# Altium PCB 10515.0462_全联供主板(2拼版)_V1.0.PcbDoc (part 6 of 18) (continued)
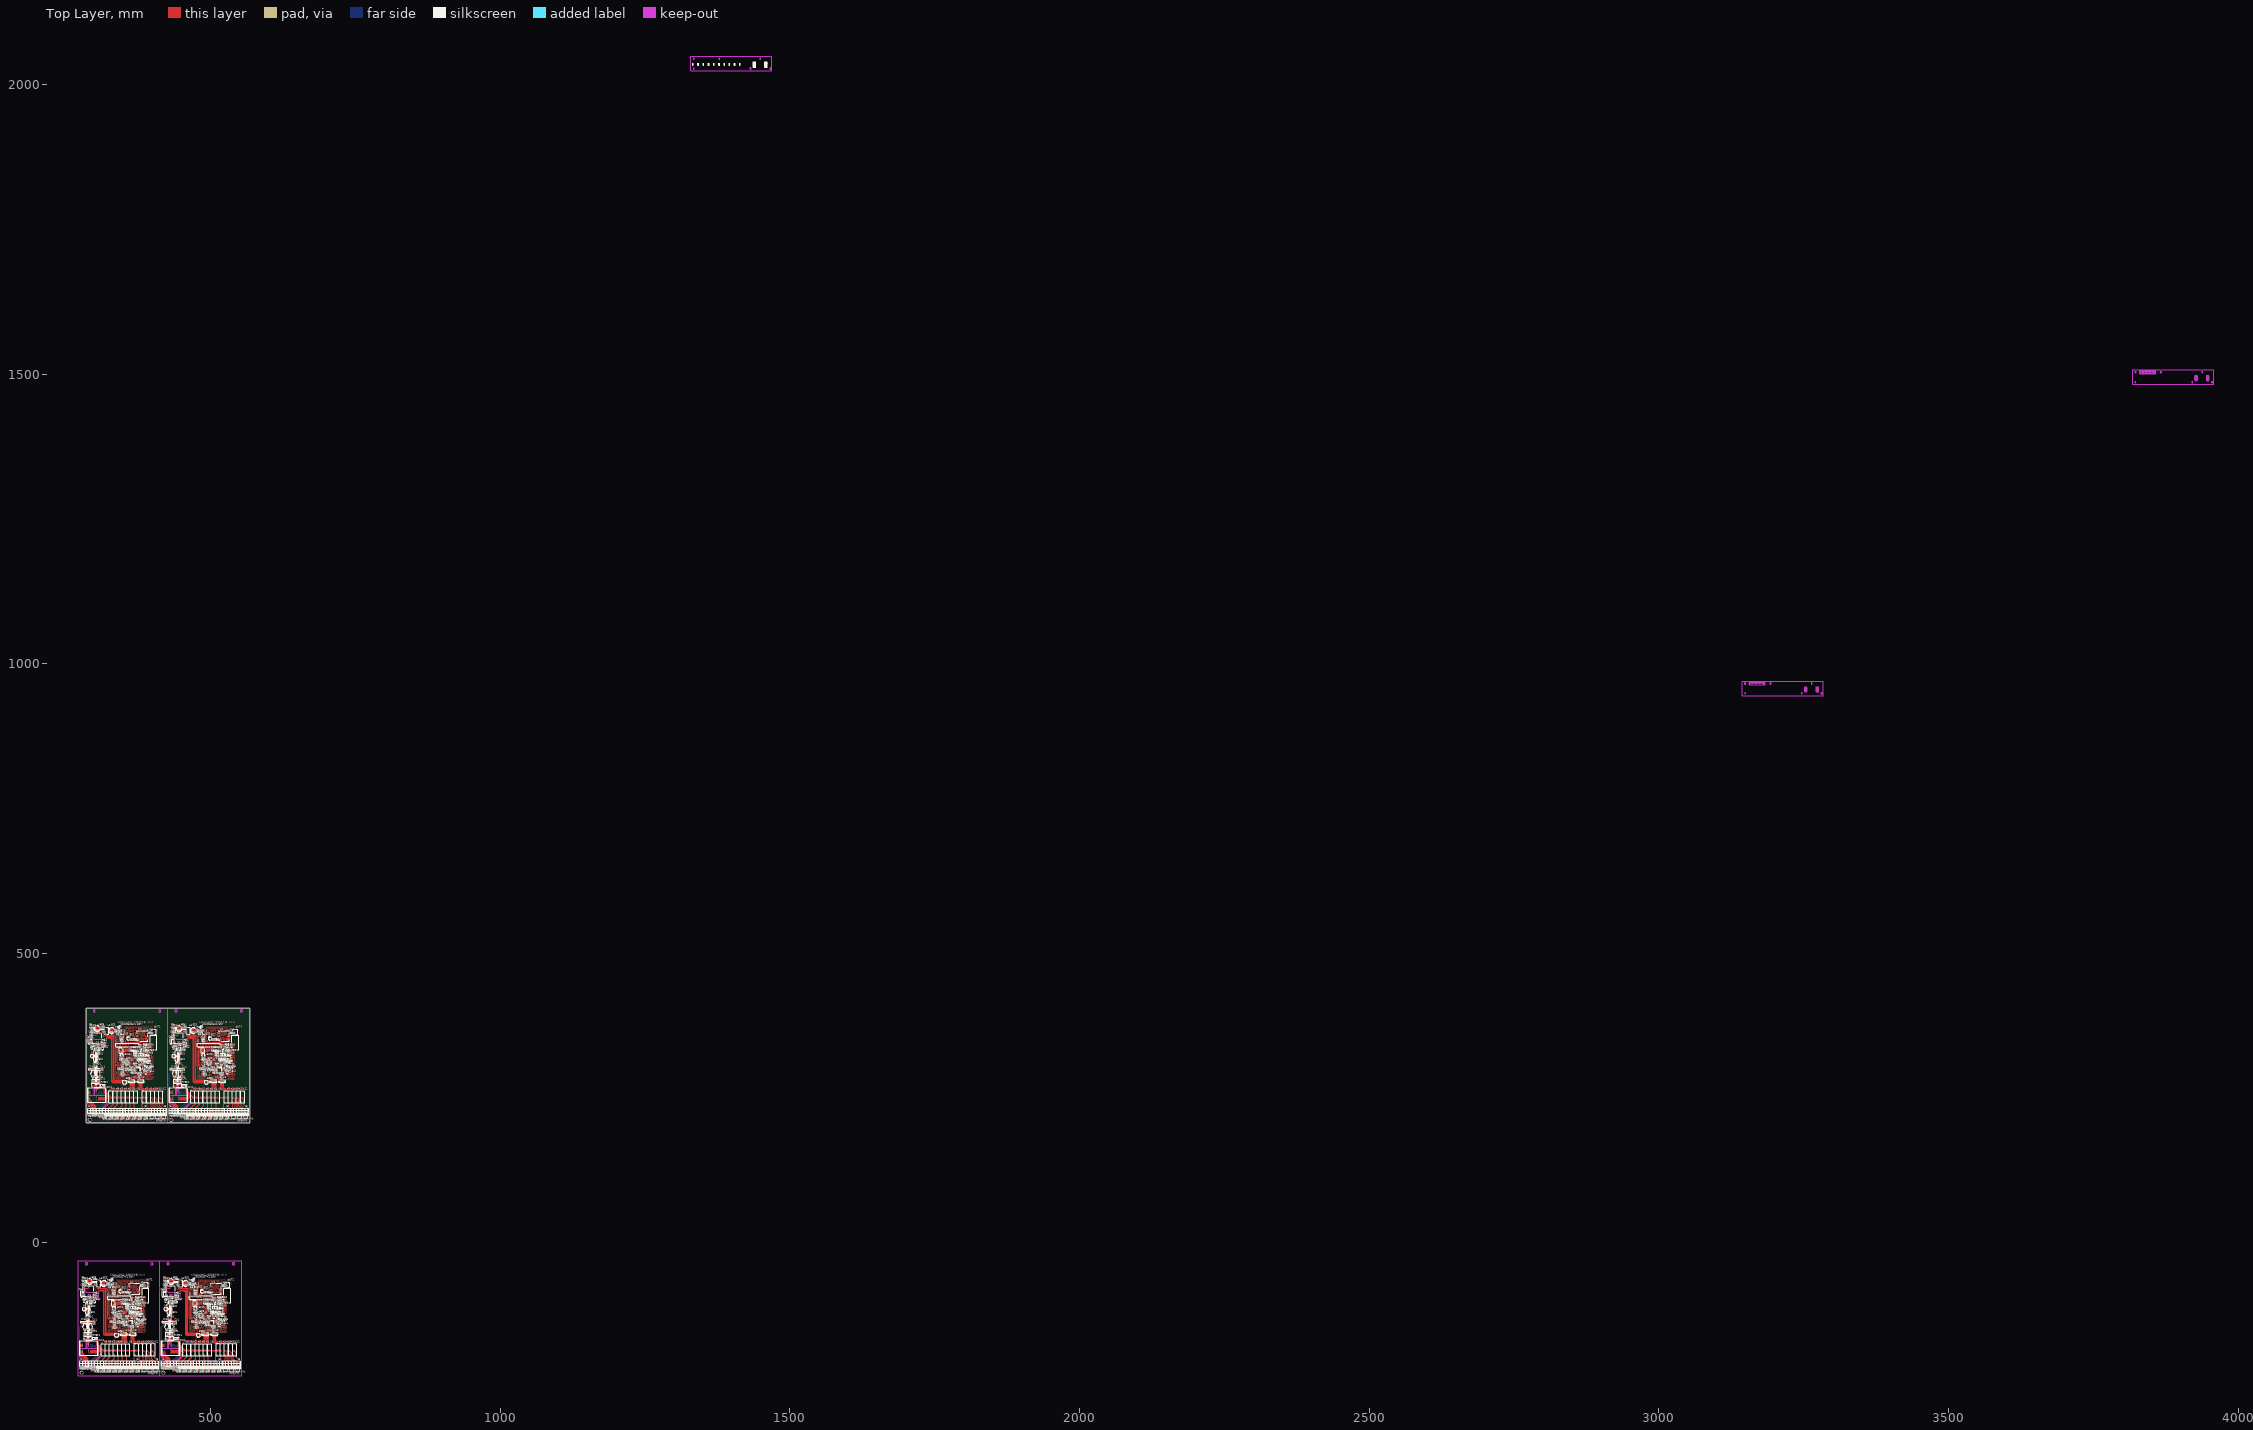
[diagram p0: Top Layer view]
## Nets (pads, with @x,y where several pads share a name; then routed paths per layer and width w, separated by ;. In a path a pad name is that pad's centre, name@x,y a point inside that pad or via, vN(x,y) a via of type N, cw(c..) or ccw(c..) an arc to the next point about the centre after c; other vN are vias at no path point) (continued)
351.855,-141.362 ; 352.141,-96.175 cw(c351.225,-97.092) 352.521,-97.092 cw(c353.817,-97.092) 352.901,-96.175 ; v1@352.151,-133.126 v1@352.151,-127.28 ; 352.151,-127.888 cw(c352.886,-127.888) v1@352.367,-127.368 ; 352.176,302.943 ccw(c352.176,304.807) 353.494,303.489 ; 352.521,-95.795 352.521,-98.821 352.913,-99.213 356.977,-99.213 357.298,-99.534 357.298,-107.281 357.624,-107.606 359.15,-107.606 359.15,-107.65 ; 352.546,-141.363 ccw(c351.96,-140.777) v1@352.788,-140.747 ; 352.705,300.403 cw(c352.705,299.179) 353.571,300.045 ; 352.812,-85.98 352.962,-86.13 359.303,-86.13 ; 352.978,-85.851 ccw(c353.651,-85.179) 353.651,-86.13 ; 353.095,301.673 ccw(c353.095,302.236) 353.494,301.838 ; 353.247,303.024 cw(c353.622,302.649) 353.622,303.179 ; 353.262,302.943 ccw(c353.262,303.72) 353.812,303.171 ; 353.448,-105.32 353.448,-105.318 ; 353.571,298.355 ccw(c353.261,298.046) 353.261,298.484 ccw(c353.261,298.922) 353.571,298.612 ; 353.739,262.179 cw(c355.053,262.265) 354.122,263.195 ; 353.75,301.838 ccw(c354.148,302.236) 354.148,301.673 ; 353.801,-86.13 ccw(c353.801,-85.482) 354.259,-85.94 ; 353.827,298.355 cw(c354.137,298.046) 354.137,298.484 cw(c354.137,298.922) 353.827,298.612 ; 353.827,300.045 cw(c354.106,299.765) 354.106,300.16 ; 353.827,300.301 ccw(c354.167,300.641) 354.167,300.16 ; 353.964,261.843 353.964,263.037 355.527,264.6 364.798,264.6 366.322,266.124 366.322,268.41 366.322,276.157 ; 354.12,-173.925 ccw(c351.432,-171.237) 355.233,-171.237 ; 354.188,262.208 cw(c356.371,262.351) 354.824,263.898 ; 354.259,-84.508 ccw(c353.949,-84.817) 353.949,-84.379 ccw(c353.949,-83.941) 354.259,-84.251 ; 354.438,-174.243 ccw(c352.518,-172.323) 355.233,-172.323 ; 354.515,-85.94 ccw(c354.974,-85.482) 354.974,-86.13 ; 354.515,-84.508 cw(c354.825,-84.817) 354.825,-84.379 cw(c354.825,-83.941) 354.515,-84.251 ; 354.619,301.673 ccw(c354.619,302.236) 355.018,301.838 ; 354.637,262.238 cw(c357.689,262.437) 355.527,264.6 ; 354.756,-174.561 ccw(c353.605,-173.41) 355.233,-173.41 ; 354.931,-128.218 ccw(c354.591,-127.877) 355.072,-127.877 ; 354.965,-129.626 ccw(c354.645,-129.306) 355.098,-129.306 ; 354.969,-128.474 cw(c354.66,-128.784) 355.098,-128.784 cw(c355.535,-128.784) 355.226,-128.474 ; 354.979,300.032 ccw(c354.67,299.722) 354.67,300.16 ccw(c354.67,300.598) 354.979,300.288 ; 355.072,-128.321 v1(355.072,-127.28) ; 355.072,-127.939 ccw(c355.467,-127.939) 355.188,-128.218 ; 355.098,-129.721 355.098,-128.346 ; 355.098,-129.327 ccw(c355.521,-129.327) 355.222,-129.626 ; 355.099,-103.669 355.11,-103.658 v1(355.961,-103.658) ; 355.101,-101.941 v1(355.945,-101.941) ; 355.146,303.399 v1(356.076,303.399) ; 355.198,-86.13 ccw(c355.198,-85.482) 355.656,-85.94 ; 355.233,-171.83 355.233,-171.222 ; 355.233,-160.438 355.233,-171.222 ; 355.265,-103.798 cw(c355.603,-104.135) 355.603,-103.658 ; 355.265,-103.541 ccw(c355.548,-103.259) 355.548,-103.658 ; 355.268,-102.07 cw(c355.577,-102.379) 355.577,-101.941 cw(c355.577,-101.503) 355.268,-101.813 ; 355.274,303.27 cw(c355.584,302.961) 355.584,303.399 cw(c355.584,303.837) 355.274,303.527 ; 355.503,-116.209 355.551,-116.162 ; 355.656,-84.508 ccw(c355.346,-84.817) 355.346,-84.379 ccw(c355.346,-83.941) 355.656,-84.251 ; 355.912,-85.94 ccw(c356.371,-85.482) 356.371,-86.13 ; 355.912,-84.508 cw(c356.222,-84.817) 356.222,-84.379 cw(c356.222,-83.941) 355.912,-84.251 ; 356.595,-86.13 ccw(c356.595,-85.482) 357.053,-85.94 ; 356.616,-129.626 ccw(c356.296,-129.306) 356.749,-129.306 ; 356.62,-128.474 cw(c356.311,-128.784) 356.749,-128.784 cw(c357.186,-128.784) 356.877,-128.474 ; 356.749,-129.721 356.749,-128.346 356.985,-128.11 v1(357.612,-128.11) ccw(c357.612,-128.953) 356.933,-128.453 ; 356.749,-129.327 ccw(c357.172,-129.327) 356.873,-129.626 ; 356.797,300.16 359.73,300.16 ; 356.963,300.032 cw(c357.273,299.722) 357.273,300.16 cw(c357.273,300.598) 356.963,300.288 ; 357.053,-84.508 ccw(c356.743,-84.817) 356.743,-84.379 ccw(c356.743,-83.941) 357.053,-84.251 ; 357.104,356.336 cw(c355.781,355.013) 357.652,355.013 cw(c359.523,355.013) 358.2,356.336 ; 357.309,-85.94 ccw(c357.768,-85.482) 357.768,-86.13 ; 357.309,-84.508 cw(c357.619,-84.817) 357.619,-84.379 cw(c357.619,-83.941) 357.309,-84.251 ; 357.587,-84.379 ccw(c357.587,-82.864) 358.659,-83.936 ; 357.652,349.884 358.256,350.489 ; 357.652,356.884 357.652,352.876 358.096,352.432 358.388,352.14 363.29,352.14 363.366,352.216 372.682,352.216 372.932,352.465 ; 357.802,300.16 ccw(c357.802,300.641) 358.143,300.301 ; 357.863,300.16 cw(c357.863,299.765) 358.143,300.045 ; 358.117,277.96 359.311,277.96 ; 358.143,298.355 ccw(c357.833,298.046) 357.833,298.484 ccw(c357.833,298.922) 358.143,298.612 ; 358.245,277.832 cw(c358.555,277.523) 358.555,277.96 cw(c358.555,278.398) 358.245,278.089 ; 358.245,279.483 cw(c358.555,279.174) 358.555,279.611 cw(c358.555,280.049) 358.245,279.74 ; 358.399,300.045 cw(c358.678,299.765) 358.678,300.16 ; 358.399,300.301 ccw(c358.739,300.641) 358.739,300.16 ; 358.659,-86.324 ccw(c358.189,-86.794) 358.189,-86.13 ccw(c358.189,-85.466) 358.659,-85.936 ; 358.779,-107.978 ccw(c357.883,-108.874) 357.883,-107.606 ccw(c357.883,-106.339) 358.779,-107.235 ; 358.893,-114.591 358.998,-114.591 359.131,-114.459 ; 359.48,277.791 cw(c358.596,276.907) 359.847,276.907 ; 359.615,300.032 ccw(c359.305,299.722) 359.305,300.16 ccw(c359.305,300.598) 359.615,300.288 ; 359.854,-158.763 ccw(c359.544,-159.073) 359.544,-158.635 ccw(c359.544,-158.197) 359.854,-158.507 ; 359.854,-157.112 ccw(c359.544,-157.422) 359.544,-156.984 ccw(c359.544,-156.546) 359.854,-156.856 ; 359.972,276.157 359.972,277.3 359.311,277.96 ; 359.972,276.676 359.938,276.71 359.938,277.96 ; 359.972,281.745 359.972,280.359 ; 360.092,331.275 360.094,331.277 ; 360.11,-157.112 cw(c360.42,-157.422) 360.42,-156.984 cw(c360.42,-156.546) 360.11,-156.856 ; 360.319,279.611 359.972,279.959 359.972,280.359 ; 360.7,350.489 364.662,350.489 364.789,350.616 ; 360.758,-112.781 360.78,-112.803 ; 361.124,261.843 361.124,262.831 362.131,263.838 366.195,263.838 367.592,265.235 367.592,267.521 367.592,276.157 ; 361.129,-158.587 cw(c360.028,-159.688) 361.585,-159.688 ; 361.339,262.259 cw(c362.343,262.565) 361.601,263.308 ; 361.465,350.489 ccw(c361.465,350.951) 361.792,350.624 ; 361.465,352.14 ccw(c361.465,352.602) 361.792,352.275 ; 361.499,350.489 cw(c361.499,350.076) 361.792,350.368 ; 361.499,352.14 cw(c361.499,351.727) 361.792,352.019 ; 361.7,-159.688 360.646,-158.635 360.406,-158.635 ; 361.71,-160.565 361.71,-160.438 361.71,-159.168 361.177,-158.635 360.406,-158.635 ; 361.71,-156.236 360.962,-156.984 360.787,-156.984 ; 361.71,-154.977 361.71,-156.628 ; 361.769,262.39 cw(c363.156,262.813) 362.131,263.838 ; 362.048,350.368 cw(c362.34,350.076) 362.34,350.489 ; 362.048,350.624 ccw(c362.375,350.951) 362.375,350.489 ; 362.048,352.019 cw(c362.34,351.727) 362.34,352.14 ; 362.048,352.275 ccw(c362.375,352.602) 362.375,352.14 ; v1(362.692,-117.755) 362.692,-116.975 362.917,-116.75 362.917,-116.052 363.234,-115.734 364.377,-115.734 364.568,-115.544 364.568,-114.591 ; v1@362.692,-117.638 cw(c363.766,-117.638) 363.007,-116.879 ; 362.725,-150.127 cw(c362.415,-150.437) 362.853,-150.437 cw(c363.291,-150.437) 362.981,-150.127 ; 362.788,-116.622 ccw(c362.479,-116.312) 362.917,-116.312 ccw(c363.354,-116.312) 363.045,-116.622 ; v1(362.853,-150.913) 362.853,-149.961 ; 362.917,-119.117 362.917,-118.909 ; 362.98,-160.565 362.98,-169.582 362.98,-171.868 363.488,-172.376 368.822,-172.376 369.456,-173.01 ; 363.162,350.361 ccw(c362.852,350.051) 362.852,350.489 ccw(c362.852,350.927) 363.162,350.617 ; 363.162,352.012 ccw(c362.852,351.702) 362.852,352.14 ccw(c362.852,352.578) 363.162,352.268 ; 363.418,350.361 cw(c363.728,350.051) 363.728,350.489 cw(c363.728,350.927) 363.418,350.617 ; 363.418,352.05 cw(c363.82,351.648) 363.82,352.216 ; 363.528,293.452 363.53,293.454 364.383,293.454 365.356,293.454 ; 363.656,293.324 cw(c363.971,293.009) 363.971,293.454 ; 363.656,293.58 ccw(c363.96,293.885) 363.96,293.454 ; 364.007,350.489 ccw(c364.007,351.36) 364.623,350.744 ; 364.225,-146.168 cw(c363.937,-146.465) 364.352,-146.465 ; 364.25,-160.565 364.25,-168.932 364.25,-171.218 364.758,-171.726 375.411,-171.726 376.568,-172.883 ; 364.352,-146.467 cw(c364.701,-146.467) 364.496,-146.184 ; 364.352,-146.037 364.352,-146.465 ; 364.439,-114.72 cw(c364.13,-115.029) 364.568,-115.029 cw(c365.005,-115.029) 364.696,-114.72 ; 364.478,-146.168 ccw(c364.766,-146.465) 364.352,-146.465 ; v1(364.524,295.105) 365.286,295.105 ; 364.571,-146.042 ccw(c366.033,-146.079) v1@364.999,-147.113 ; 364.803,-112.969 cw(c364.803,-113.959) 365.503,-113.259 ; 364.803,-112.559 v1@365.994,-113.751 ; 365.052,276.157 365.052,268.918 365.052,266.632 363.909,265.489 348.796,265.489 346.804,263.498 ; v1(365.105,-144.425) 366.003,-145.322 366.003,-146.037 ; 365.15,-112.623 ccw(c365.833,-112.623) 365.35,-113.106 ; 365.228,293.326 ccw(c364.918,293.017) 364.918,293.454 ccw(c364.918,293.892) 365.228,293.583 ; 365.228,294.977 ccw(c364.918,294.668) 364.918,295.105 ccw(c364.918,295.543) 365.228,295.234 ; v1(365.232,-147.346) 364.352,-146.465 ; v1(365.232,-120.041) 370.058,-120.041 370.727,-119.372 v1(370.727,-117.12) 370.727,-116.179 ; 365.356,295.105 366.048,295.105 v1@366.516,295.574 ; 365.484,294.977 cw(c365.794,294.668) 365.794,295.105 cw(c365.794,295.543) 365.484,295.234 ; 365.52,-160.565 365.52,-168.282 365.52,-170.568 366.028,-171.076 382,-171.076 383.687,-172.763 ; 365.77,340.42 cw(c364.853,339.504) 366.15,339.504 cw(c367.446,339.504) 366.529,340.42 ; v1@365.78,303.469 v1@365.78,309.315 ; 365.78,308.707 cw(c366.515,308.707) v1@365.995,309.227 ; 365.846,-113.602 cw(c365.517,-113.931) v1@365.982,-113.931 ; 365.874,-145.909 ccw(c365.565,-145.599) 366.003,-145.599 ccw(c366.441,-145.599) 366.131,-145.909 ; 366.15,340.8 366.15,337.775 366.542,337.382 370.606,337.382 370.927,337.061 370.927,329.314 371.252,328.989 372.779,328.989 372.779,328.945 ; 366.175,295.232 ccw(c365.589,295.818) v1@366.417,295.849 ; 366.44,350.616 366.591,350.465 372.932,350.465 ; 366.607,350.744 ccw(c367.279,351.417) 367.279,350.465 ; 366.79,-160.565 366.79,-167.505 366.79,-169.791 367.425,-170.426 389.71,-170.426 390.799,-171.516 390.799,-174.625 ; 367.044,-117.131 367.044,-117.449 368.505,-118.909 ; 367.077,331.275 367.077,331.277 ; 367.391,-117.195 ccw(c368.84,-117.195) 367.815,-118.22 ; 367.429,350.465 ccw(c367.429,351.113) 367.888,350.655 ; 367.748,262.671 ccw(c365.061,265.358) 368.862,265.358 ; 367.888,352.088 ccw(c367.578,351.778) 367.578,352.216 ccw(c367.578,352.654) 367.888,352.344 ; 368.044,-114.631 368.148,-114.528 ; 368.044,-110.469 cw(c368.044,-111.459) 368.744,-110.759 cw(c369.444,-110.059) 368.454,-110.059 ; 368.044,-110.059 369.263,-111.278 370.41,-111.278 ; 368.06,-160.565 368.06,-166.661 368.06,-168.947 368.889,-169.776 396.426,-169.776 398.038,-171.389 398.038,-174.625 ; 368.067,262.353 ccw(c366.147,264.272) 368.862,264.272 ; 368.13,-118.535 cw(c367.755,-118.909) 368.285,-118.909 ; 368.144,350.655 ccw(c368.602,351.113) 368.602,350.465 ; 368.144,352.088 cw(c368.454,351.778) 368.454,352.216 cw(c368.454,352.654) 368.144,352.344 ; 368.3,-98.197 375.011,-98.197 376.916,-98.197 ; 368.3,-95.657 379.202,-95.657 379.837,-96.292 379.837,-97.943 ; 368.385,262.034 ccw(c367.234,263.186) 368.862,263.186 ; 368.56,308.378 ccw(c368.22,308.718) 368.701,308.718 ; 368.594,306.969 ccw(c368.274,307.289) 368.726,307.289 ; 368.598,308.121 cw(c368.288,307.812) 368.726,307.812 cw(c369.164,307.812) 368.855,308.121 ; 368.671,-98.568 cw(c369.567,-99.464) 369.567,-98.197 cw(c369.567,-96.93) 368.671,-97.826 ; 368.671,-96.028 cw(c369.567,-96.924) 369.567,-95.657 cw(c369.567,-94.39) 368.671,-95.286 ; 368.701,308.275 v1(368.701,309.315) ; 368.701,308.657 ccw(c369.095,308.657) 368.816,308.378 ; 368.726,306.875 368.726,308.249 ; 368.726,307.269 ccw(c369.15,307.269) 368.85,306.969 ; 368.728,332.926 368.739,332.937 v1(369.59,332.937) ; 368.73,334.654 v1(369.574,334.654) ; 368.826,350.465 ccw(c368.826,351.113) 369.285,350.655 ; 368.862,264.765 368.862,265.373 ; 368.862,276.157 368.862,265.373 ; 368.894,332.798 cw(c369.231,332.461) 369.231,332.937 ; 368.894,333.054 ccw(c369.176,333.336) 369.176,332.937 ; 368.897,334.526 cw(c369.206,334.216) 369.206,334.654 cw(c369.206,335.092) 368.897,334.782 ; 368.994,-112.559 368.994,-113.135 369.169,-113.31 v1(369.931,-113.31) ; 369.08,-173.714 ccw(c368.609,-173.01) 369.456,-173.01 ; 369.132,320.386 369.179,320.434 ; 369.169,-103.306 cw(c369.169,-104.296) 369.869,-103.596 ; 369.169,-102.896 370.727,-104.454 370.727,-109.944 ; 369.28,-133.286 v1@369.28,-127.28 ; 369.28,-132.503 ccw(c370.152,-132.503) 369.535,-133.119 ; 369.285,352.088 ccw(c368.975,351.778) 368.975,352.216 ccw(c368.975,352.654) 369.285,352.344 ; 369.456,-174.625 369.456,-173.01 ; 369.516,-102.959 ccw(c370.199,-102.959) 369.716,-103.443 ; 369.541,350.655 ccw(c369.999,351.113) 369.999,350.465 ; 369.541,352.088 cw(c369.851,351.778) 369.851,352.216 cw(c369.851,352.654) 369.541,352.344 ; 369.615,-111.278 cw(c369.615,-112.67) 370.599,-111.686 ; 369.832,-173.714 cw(c370.303,-173.01) 369.456,-173.01 ; 370.223,350.465 ccw(c370.223,351.113) 370.682,350.655 ; 370.245,306.969 ccw(c369.925,307.289) 370.377,307.289 ; 370.249,308.121 cw(c369.939,307.812) 370.377,307.812 cw(c370.815,307.812) 370.506,308.121 ; 370.377,306.875 370.377,308.249 370.614,308.486 v1(371.241,308.486) ccw(c371.241,307.643) 370.562,308.142 ; 370.377,307.269 ccw(c370.801,307.269) 370.501,306.969 ; 370.599,-116.345 cw(c370.289,-116.655) 370.727,-116.655 cw(c371.165,-116.655) 370.855,-116.345 ; 370.599,-109.778 ccw(c370.289,-109.468) 370.727,-109.468 ccw(c371.165,-109.468) 370.855,-109.778 ; 370.682,352.088 ccw(c370.372,351.778) 370.372,352.216 ccw(c370.372,352.654) 370.682,352.344 ; 370.938,350.655 ccw(c371.396,351.113) 371.396,350.465 ; 370.938,352.088 cw(c371.248,351.778) 371.248,352.216 cw(c371.248,352.654) 370.938,352.344 ; 371.216,352.216 ccw(c371.216,353.731) 372.287,352.66 ; 371.362,-139.293 372.979,-139.293 373.37,-138.902 373.37,-137.463 373.82,-137.013 ; 371.49,-139.421 cw(c371.8,-139.731) 371.8,-139.293 cw(c371.8,-138.855) 371.49,-139.165 ; 371.884,-139.293 ccw(c371.884,-137.541) 373.123,-138.78 ; 372.287,350.271 ccw(c371.818,349.802) 371.818,350.465 ccw(c371.818,351.129) 372.287,350.66 ; 372.408,328.618 ccw(c371.512,327.722) 371.512,328.989 ccw(c371.512,330.257) 372.408,329.36 ; 372.522,322.004 372.627,322.004 372.76,322.137 ; 372.668,-98.197 ccw(c372.668,-95.727) 374.415,-97.473 ; 373.123,-141.775 cw(c372.157,-142.74) 373.522,-142.74 ; 373.123,-138.53 ccw(c372.525,-137.932) 373.37,-137.932 ccw(c374.215,-137.932) 373.618,-138.53 ; 373.37,-141.402 373.522,-141.555 373.522,-143.27 373.522,-144.057 373.709,-144.243 376.442,-144.243 376.823,-143.862 376.823,-139.633 v1(376.789,-139.599) 376.092,-138.902 ; 373.37,-138.445 cw(c375.213,-138.445) 373.91,-137.142 ; 373.37,-137.623 cw(c373.798,-137.623) 373.786,-137.195 ; 373.37,-137.358 cw(c374.126,-137.358) 373.592,-136.823 ; 373.394,-143.398 cw(c373.084,-143.708) 373.522,-143.708 cw(c373.96,-143.708) 373.651,-143.398 ; 373.394,-143.142 ccw(c373.084,-142.832) 373.522,-142.832 ccw(c373.96,-142.832) 373.651,-143.142 ; 373.445,-137.388 ccw(c373.07,-137.013) 373.6,-137.013 ; 373.483,277.832 ccw(c373.173,277.523) 373.173,277.96 ccw(c373.173,278.398) 373.483,278.089 ; 373.483,279.483 ccw(c373.173,279.174) 373.173,279.611 ccw(c373.173,280.049) 373.483,279.74 ; v1(373.597,-110.406) 374.453,-110.406 ; 373.739,279.483 cw(c374.049,279.174) 374.049,279.611 cw(c374.049,280.049) 373.739,279.74 ; 373.754,-98.197 ccw(c373.754,-96.813) 374.733,-97.792 ; 373.894,-98.197 cw(c373.894,-98.933) 374.415,-98.413 ; 374.122,-133.52 ccw(c373.813,-133.21) 374.251,-133.21 ccw(c374.689,-133.21) 374.379,-133.52 ; 374.251,-133.648 374.251,-132.994 374.63,-132.614 376.662,-132.614 377.515,-131.761 377.515,-131.285 ; 374.325,-110.534 ccw(c374.015,-110.844) 374.015,-110.406 ccw(c374.015,-109.968) 374.325,-110.278 ; 374.386,323.814 374.408,323.792 ; 374.453,-110.279 374.809,-110.635 v1(378.884,-110.635) v1@379.011,-110.635 ; 374.581,-110.316 ccw(c375.351,-109.546) 375.351,-110.635 ; 374.758,278.008 cw(c373.657,276.907) 375.214,276.907 ; 374.796,-103.613 cw(c373.662,-104.746) 375.265,-104.746 cw(c376.868,-104.746) 375.735,-103.613 ; 374.815,-102.655 ccw(c373.864,-101.626) v1(375.265,-101.626) ccw(c376.666,-101.626) 375.716,-102.655 ; 375.045,-143.142 ccw(c374.735,-142.832) 375.173,-142.832 ccw(c375.611,-142.832) 375.302,-143.142 ; 375.123,-138.53 ccw(c374.525,-137.932) 375.37,-137.932 ccw(c376.215,-137.932) 375.618,-138.53 ; 375.173,-143.27 375.173,-141.599 375.37,-141.402 ; 375.173,-142.847 cw(c376.69,-142.847) 375.618,-141.775 ; 375.265,-105.311 375.265,-103.143 v1(375.265,-101.626) ; 375.265,-104.603 ccw(c376.446,-104.603) 375.611,-105.438 ; 375.305,-138.951 cw(c375.722,-139.435) 376.173,-138.983 ; 375.328,276.907 374.275,277.96 374.035,277.96 ; 375.329,-117.047 ccw(c373.783,-115.501) 375.97,-115.501 ; 375.339,276.03 375.339,276.157 375.339,277.427 374.805,277.96 374.035,277.96 ; 375.339,280.359 374.591,279.611 374.416,279.611 ; 375.339,281.618 375.339,279.967 ; 375.36,-138.928 cw(c375.504,-140.386) 376.54,-139.35 ; 375.37,-137.602 cw(c376.021,-137.602) 375.561,-137.142 ; 375.457,-117.213 375.97,-116.701 375.97,-114.349 ; 375.457,-116.994 ccw(c375.457,-116.464) 375.832,-116.839 ; 375.471,-137.013 375.37,-137.114 375.37,-138.902 376.092,-138.902 ; 375.599,-139.292 cw(c376.039,-139.803) 376.516,-139.326 ; 375.645,-139.119 cw(c376.092,-139.472) 376.092,-138.902 ; 375.645,-138.685 ccw(c376.092,-138.332) 376.092,-138.902 ; 375.647,-117.365 ccw(c374.869,-116.587) 375.97,-116.587 ; 375.773,-135.164 ccw(c375.464,-134.854) 375.902,-134.854 ccw(c376.34,-134.854) 376.03,-135.164 ; 375.773,-133.777 cw(c375.464,-134.086) 375.902,-134.086 cw(c376.34,-134.086) 376.03,-133.777 ; 375.902,-133.648 375.902,-135.254 377.679,-135.254 377.683,-135.258 ; 375.97,-110.635 375.97,-108.253 ; 376.03,-135.421 cw(c376.432,-135.822) 376.432,-135.254 ; 376.116,-98.413 cw(c376.636,-98.933) 376.636,-98.197 ; 376.15,-173.745 ccw(c375.471,-172.883) 376.568,-172.883 ; 376.277,-97.735 ccw(c376.916,-97.524) 376.916,-98.197 ; v1(376.321,318.84) 376.321,319.621 376.545,319.845 376.545,320.544 376.863,320.861 378.006,320.861 378.196,321.052 378.196,322.004 ; v1@376.321,318.957 cw(c377.395,318.957) 376.635,319.717 ; 376.354,286.468 cw(c376.044,286.159) 376.482,286.159 cw(c376.92,286.159) 376.61,286.468 ; 376.417,319.973 ccw(c376.107,320.283) 376.545,320.283 ccw(c376.983,320.283) 376.674,319.973 ; v1(376.482,285.682) 376.482,286.635 ; 376.545,317.479 376.545,317.686 ; 376.568,-174.625 376.568,-172.883 ; 376.609,276.03 376.609,267.013 376.609,264.727 377.117,264.219 382.451,264.219 383.085,263.585 ; v1@376.701,-139.687 cw(c376.406,-139.983) 376.823,-139.983 ; 376.877,-117.047 ccw(c376.003,-116.173) v1@377.24,-116.173 ; 376.963,-132.313 ccw(c376.491,-131.841) 377.047,-131.47 ; 376.986,-173.745 cw(c377.665,-172.883) 376.568,-172.883 ; 377.006,-117.213 377.24,-116.98 v1(377.24,-116.104) 377.24,-114.349 ; 377.044,-105.438 ccw(c376.734,-105.129) 377.172,-105.129 ccw(c377.61,-105.129) 377.3,-105.438 ; 377.08,-135.254 cw(c377.08,-135.822) 377.482,-135.421 ; 377.082,-105.695 cw(c376.701,-106.076) 377.24,-106.076 ; 377.172,-105.567 377.172,-98.453 376.916,-98.197 ; 377.24,-108.253 377.24,-105.634 ; v1@377.309,-116.001 378.51,-116.001 378.51,-114.349 ; v1@377.328,-116.192 cw(c377.79,-116.654) 377.79,-116.001 ; 377.418,-133.964 cw(c376.778,-134.604) 377.683,-134.604 cw(c378.588,-134.604) 377.948,-133.964 ; 377.558,-135.164 ccw(c377.257,-134.863) 377.683,-134.863 ; 377.649,-135.292 377.683,-135.258 ; 377.683,-134.846 ccw(c378.133,-134.846) 377.815,-135.164 ; 377.683,-133.757 377.683,-135.258 ; 377.854,290.428 cw(c377.566,290.13) 377.98,290.13 ; 377.879,276.03 377.879,267.663 377.879,265.377 378.387,264.869 389.04,264.869 390.197,263.712 ; 377.98,290.128 cw(c378.329,290.128) 378.125,290.411 ; 377.98,290.558 377.98,290.13 ; 378.068,321.876 cw(c377.758,321.566) 378.196,321.566 cw(c378.634,321.566) 378.325,321.876 ; 378.107,290.428 ccw(c378.395,290.13) 377.98,290.13 ; 378.2,290.554 ccw(c379.662,290.517) v1@378.628,289.483 ; 378.377,-99.657 ccw(c376.757,-98.038) 379.046,-97.964 ; 378.432,323.626 cw(c378.432,322.636) 379.132,323.336 ; 378.432,324.036 v1@379.623,322.845 ; 378.554,-117.213 380.103,-117.213 ; 378.568,-105.438 ccw(c378.258,-105.129) 378.696,-105.129 ccw(c379.134,-105.129) 378.824,-105.438 ; 378.682,-117.342 cw(c378.992,-117.651) 378.992,-117.213 cw(c378.992,-116.775) 378.682,-117.085 ; 378.696,-105.567 378.696,-104.803 378.186,-104.293 378.186,-99.848 380.091,-97.943 ; v1(378.734,292.17) 379.631,291.273 379.631,290.558 ; 378.778,323.973 ccw(c379.462,323.973) 378.978,323.489 ; v1(378.861,289.249) 377.98,290.13 ; v1(378.861,316.554) 383.687,316.554 384.356,317.223 v1(384.356,319.475) 384.356,320.417 ; 379.111,-98.923 ccw(c378.181,-97.992) 379.496,-97.95 ; 379.149,276.03 379.149,268.313 379.149,266.027 379.657,265.519 395.629,265.519 397.316,263.832 ; 379.227,-98.807 cw(c379.71,-99.29) 379.71,-98.607 ; 379.294,-97.426 ccw(c378.383,-96.292) 379.837,-96.292 ; 379.3,-135.292 379.689,-135.292 381.283,-133.698 381.283,-131.517 381.515,-131.285 ; 379.338,-135.111 ccw(c379.338,-133.825) 380.247,-134.734 ; 379.475,322.993 cw(c379.146,322.664) v1@379.611,322.664 ; 379.503,290.686 ccw(c379.193,290.996) 379.631,290.996 ccw(c380.069,290.996) 379.76,290.686 ; 379.674,-102.626 ccw(c378.968,-101.753) v1(380.091,-101.753) ccw(c381.214,-101.753) 380.508,-102.626 ; 379.78,-117.155 379.78,-114.349 ; 379.78,-115.958 ccw(c381.32,-115.958) 380.231,-117.047 ; 379.78,-112.057 v1(379.78,-109.754) ; 379.837,-96.647 ccw(c381.007,-96.647) 380.18,-97.473 ; 379.974,-117.342 ccw(c379.665,-117.651) 379.665,-117.213 ccw(c379.665,-116.775) 379.974,-117.085 ; 380.091,-103.143 v1(380.091,-101.753) ; 380.257,-105.695 cw(c378.817,-107.135) 380.853,-107.135 ; 380.301,-134.68 ccw(c379.32,-133.698) 380.708,-133.698 ; 380.347,-105.567 380.853,-106.073 380.853,-110.389 v1(380.599,-110.643) ; 380.374,-105.748 cw(c380.344,-106.256) 380.853,-106.256 ; 380.419,276.03 380.419,269.09 380.419,266.804 381.054,266.169 403.338,266.169 404.428,265.08 404.428,261.97 ; v1@380.511,-110.555 ccw(c379.684,-109.728) 380.853,-109.728 ; 380.566,-105.567 ccw(c381.096,-105.567) 380.722,-105.941 ; 380.575,-105.377 cw(c379.903,-106.048) 380.853,-106.048 ; 380.673,319.464 380.673,319.147 382.133,317.686 ; 381.018,-133.433 ccw(c380.378,-132.793) 381.283,-132.793 ccw(c382.188,-132.793) 381.548,-133.433 ; 381.019,319.401 ccw(c382.469,319.401) 381.444,318.375 ; 381.117,-131.556 cw(c380.717,-131.956) 381.283,-131.956 ; 381.283,-133.076 cw(c383.433,-133.076) 381.913,-131.556 ; 381.283,-131.99 cw(c382.346,-131.99) 381.594,-131.238 ; 381.413,-71.776 381.579,-71.942 387.573,-71.942 ; 381.673,321.964 381.776,322.068 ; 381.673,326.126 cw(c381.673,325.136) 382.373,325.836 cw(c383.073,326.536) 382.083,326.536 ; 381.673,326.536 382.891,325.317 384.038,325.317 ; 381.682,-72.057 cw(c381.961,-72.336) 381.961,-71.942 ; 381.682,-71.801 ccw(c382.022,-71.461) 382.022,-71.942 ; 381.689,276.03 381.689,269.934 381.689,267.648 382.518,266.819 410.054,266.819 411.667,265.207 411.667,261.97 ; 381.759,318.061 cw(c381.384,317.686) 381.914,317.686 ; 381.928,338.398 388.64,338.398 390.545,338.398 ; 381.928,340.938 392.831,340.938 393.466,340.303 393.466,338.652 ; 382.3,338.027 cw(c383.196,337.131) 383.196,338.398 cw(c383.196,339.666) 382.3,338.77 ; 382.3,340.567 cw(c383.196,339.671) 383.196,340.938 cw(c383.196,342.206) 382.3,341.31 ; 382.623,324.036 382.623,323.461 382.798,323.285 v1(383.56,323.285) ; 382.709,262.881 ccw(c382.238,263.585) 383.085,263.585 ; 382.798,333.289 cw(c382.798,332.3) 383.498,333 ; 382.798,333.699 384.356,332.142 384.356,326.651 ; 382.909,303.31 v1@382.909,309.315 ; 382.909,304.092 ccw(c383.78,304.092) 383.164,303.476 ; 383.085,261.97 383.085,263.585 ; 383.144,333.636 ccw(c383.828,333.636) 383.345,333.153 ; 383.236,-173.772 ccw(c382.332,-172.764) 383.687,-172.764 ; 383.243,325.317 cw(c383.243,323.926) 384.228,324.91 ; 383.46,262.881 cw(c383.932,263.585) 383.085,263.585 ; 383.687,-174.625 383.687,-172.763 ; 383.977,-75.196 ccw(c382.631,-76.106) v1@382.631,-74.482 ; 383.977,-73.768 cw(c382.631,-72.858) v1@382.631,-74.482 ; 384.138,-173.772 cw(c385.042,-172.764) 383.687,-172.764 ; 384.228,320.25 cw(c383.918,319.941) 384.356,319.941 cw(c384.794,319.941) 384.484,320.25 ; 384.228,326.817 ccw(c383.918,327.127) 384.356,327.127 ccw(c384.794,327.127) 384.484,326.817 ; 384.349,-74.944 ccw(c383.479,-75.533) 383.479,-74.482 ccw(c383.479,-73.431) 384.349,-74.02 ; 384.917,-74.482 v1@382.631,-74.482 ; 384.991,297.303 386.608,297.303 386.999,297.693 386.999,299.132 387.448,299.582 ; 385.119,297.174 cw(c385.429,296.865) 385.429,297.303 cw(c385.429,297.741) 385.119,297.431 ; 385.512,297.303 ccw(c385.512,299.055) 386.751,297.816 ; 386.297,338.398 ccw(c386.297,340.869) 388.043,339.122 ; 386.742,-72.773 ccw(c384.736,-74.779) 384.736,-71.942 ccw(c384.736,-69.105) 386.742,-71.111 ; 386.751,294.821 cw(c385.786,293.855) 387.151,293.855 ; 386.751,298.066 ccw(c386.154,298.663) 386.999,298.663 ccw(c387.844,298.663) 387.246,298.066 ; 386.999,295.193 387.151,295.041 387.151,293.325 387.151,292.539 387.337,292.352 390.071,292.352 390.452,292.733 390.452,296.963 v1(390.418,296.996) 389.721,297.693 ; 386.999,298.151 cw(c388.842,298.151) 387.539,299.454 ; 386.999,298.973 cw(c387.427,298.973) 387.415,299.401 ; 386.999,299.237 cw(c387.755,299.237) 387.22,299.772 ; 387.023,293.197 cw(c386.713,292.887) 387.151,292.887 cw(c387.589,292.887) 387.279,293.197 ; 387.023,293.454 ccw(c386.713,293.763) 387.151,293.763 ccw(c387.589,293.763) 387.279,293.454 ; 387.06,-72.455 ccw(c385.822,-73.692) 385.822,-71.942 ccw(c385.822,-70.192) 387.06,-71.429 ; 387.074,299.207 ccw(c386.699,299.582) 387.229,299.582 ; v1(387.226,326.19) 388.082,326.19 ; 387.383,338.398 ccw(c387.383,339.782) 388.362,338.804 ; 387.523,338.398 cw(c387.523,337.663) 388.043,338.183 ; 387.751,303.075 ccw(c387.441,303.385) 387.879,303.385 ccw(c388.317,303.385) 388.008,303.075 ; 387.879,302.947 387.879,303.602 388.259,303.981 390.291,303.981 391.144,304.834 391.144,305.31 ; 387.954,326.061 ccw(c387.644,325.752) 387.644,326.19 ccw(c387.644,326.628) 387.954,326.318 ; 388.082,326.317 388.437,325.961 v1(392.513,325.961) v1@392.64,325.961 ; 388.21,326.28 ccw(c388.98,327.049) 388.98,325.961 ; 388.424,332.983 cw(c387.291,331.849) 388.894,331.849 cw(c390.497,331.849) 389.363,332.983 ; 388.443,333.94 ccw(c387.493,334.969) v1(388.894,334.969) ccw(c390.295,334.969) 389.344,333.94 ; 388.674,293.454 ccw(c388.364,293.763) 388.802,293.763 ccw(c389.24,293.763) 388.93,293.454 ; 388.751,298.066 ccw(c388.154,298.663) 388.999,298.663 ccw(c389.844,298.663) 389.246,298.066 ; 388.802,293.325 388.802,294.997 388.999,295.193 ; 388.802,293.749 cw(c390.318,293.749) 389.246,294.821 ; 388.894,331.285 388.894,333.452 v1(388.894,334.969) ; 388.894,331.992 ccw(c390.075,331.992) 389.24,331.157 ; 388.933,297.644 cw(c389.351,297.161) 389.802,297.612 ; 388.958,319.548 ccw(c387.412,321.095) 389.598,321.095 ; 388.989,297.668 cw(c389.133,296.21) 390.169,297.246 ; 388.999,298.993 cw(c389.65,298.993) 389.19,299.454 ; 389.086,319.382 389.598,319.894 389.598,322.246 ; 389.086,319.602 ccw(c389.086,320.132) 389.461,319.757 ; 389.099,299.582 388.999,299.481 388.999,297.693 389.721,297.693 ; 389.227,297.303 cw(c389.668,296.793) 390.145,297.27 ; 389.273,297.476 cw(c389.721,297.123) 389.721,297.693 ; 389.273,297.91 ccw(c389.721,298.264) 389.721,297.693 ; 389.276,319.23 ccw(c388.498,320.008) 389.598,320.008 ; 389.402,301.431 ccw(c389.092,301.741) 389.53,301.741 ccw(c389.968,301.741) 389.659,301.431 ; 389.402,302.819 cw(c389.092,302.509) 389.53,302.509 cw(c389.968,302.509) 389.659,302.819 ; 389.53,302.947 389.53,301.341 391.308,301.341 391.312,301.338 ; 389.598,325.961 389.598,328.342 ; 389.659,301.175 cw(c390.06,300.773) 390.06,301.341 ; 389.744,338.183 cw(c390.265,337.663) 390.265,338.398 ; 389.779,262.851 ccw(c389.1,263.712) 390.197,263.712 ; 389.905,338.861 ccw(c390.545,339.072) 390.545,338.398